# KiCad board Duet3_MB.kicad_pcb (continued)
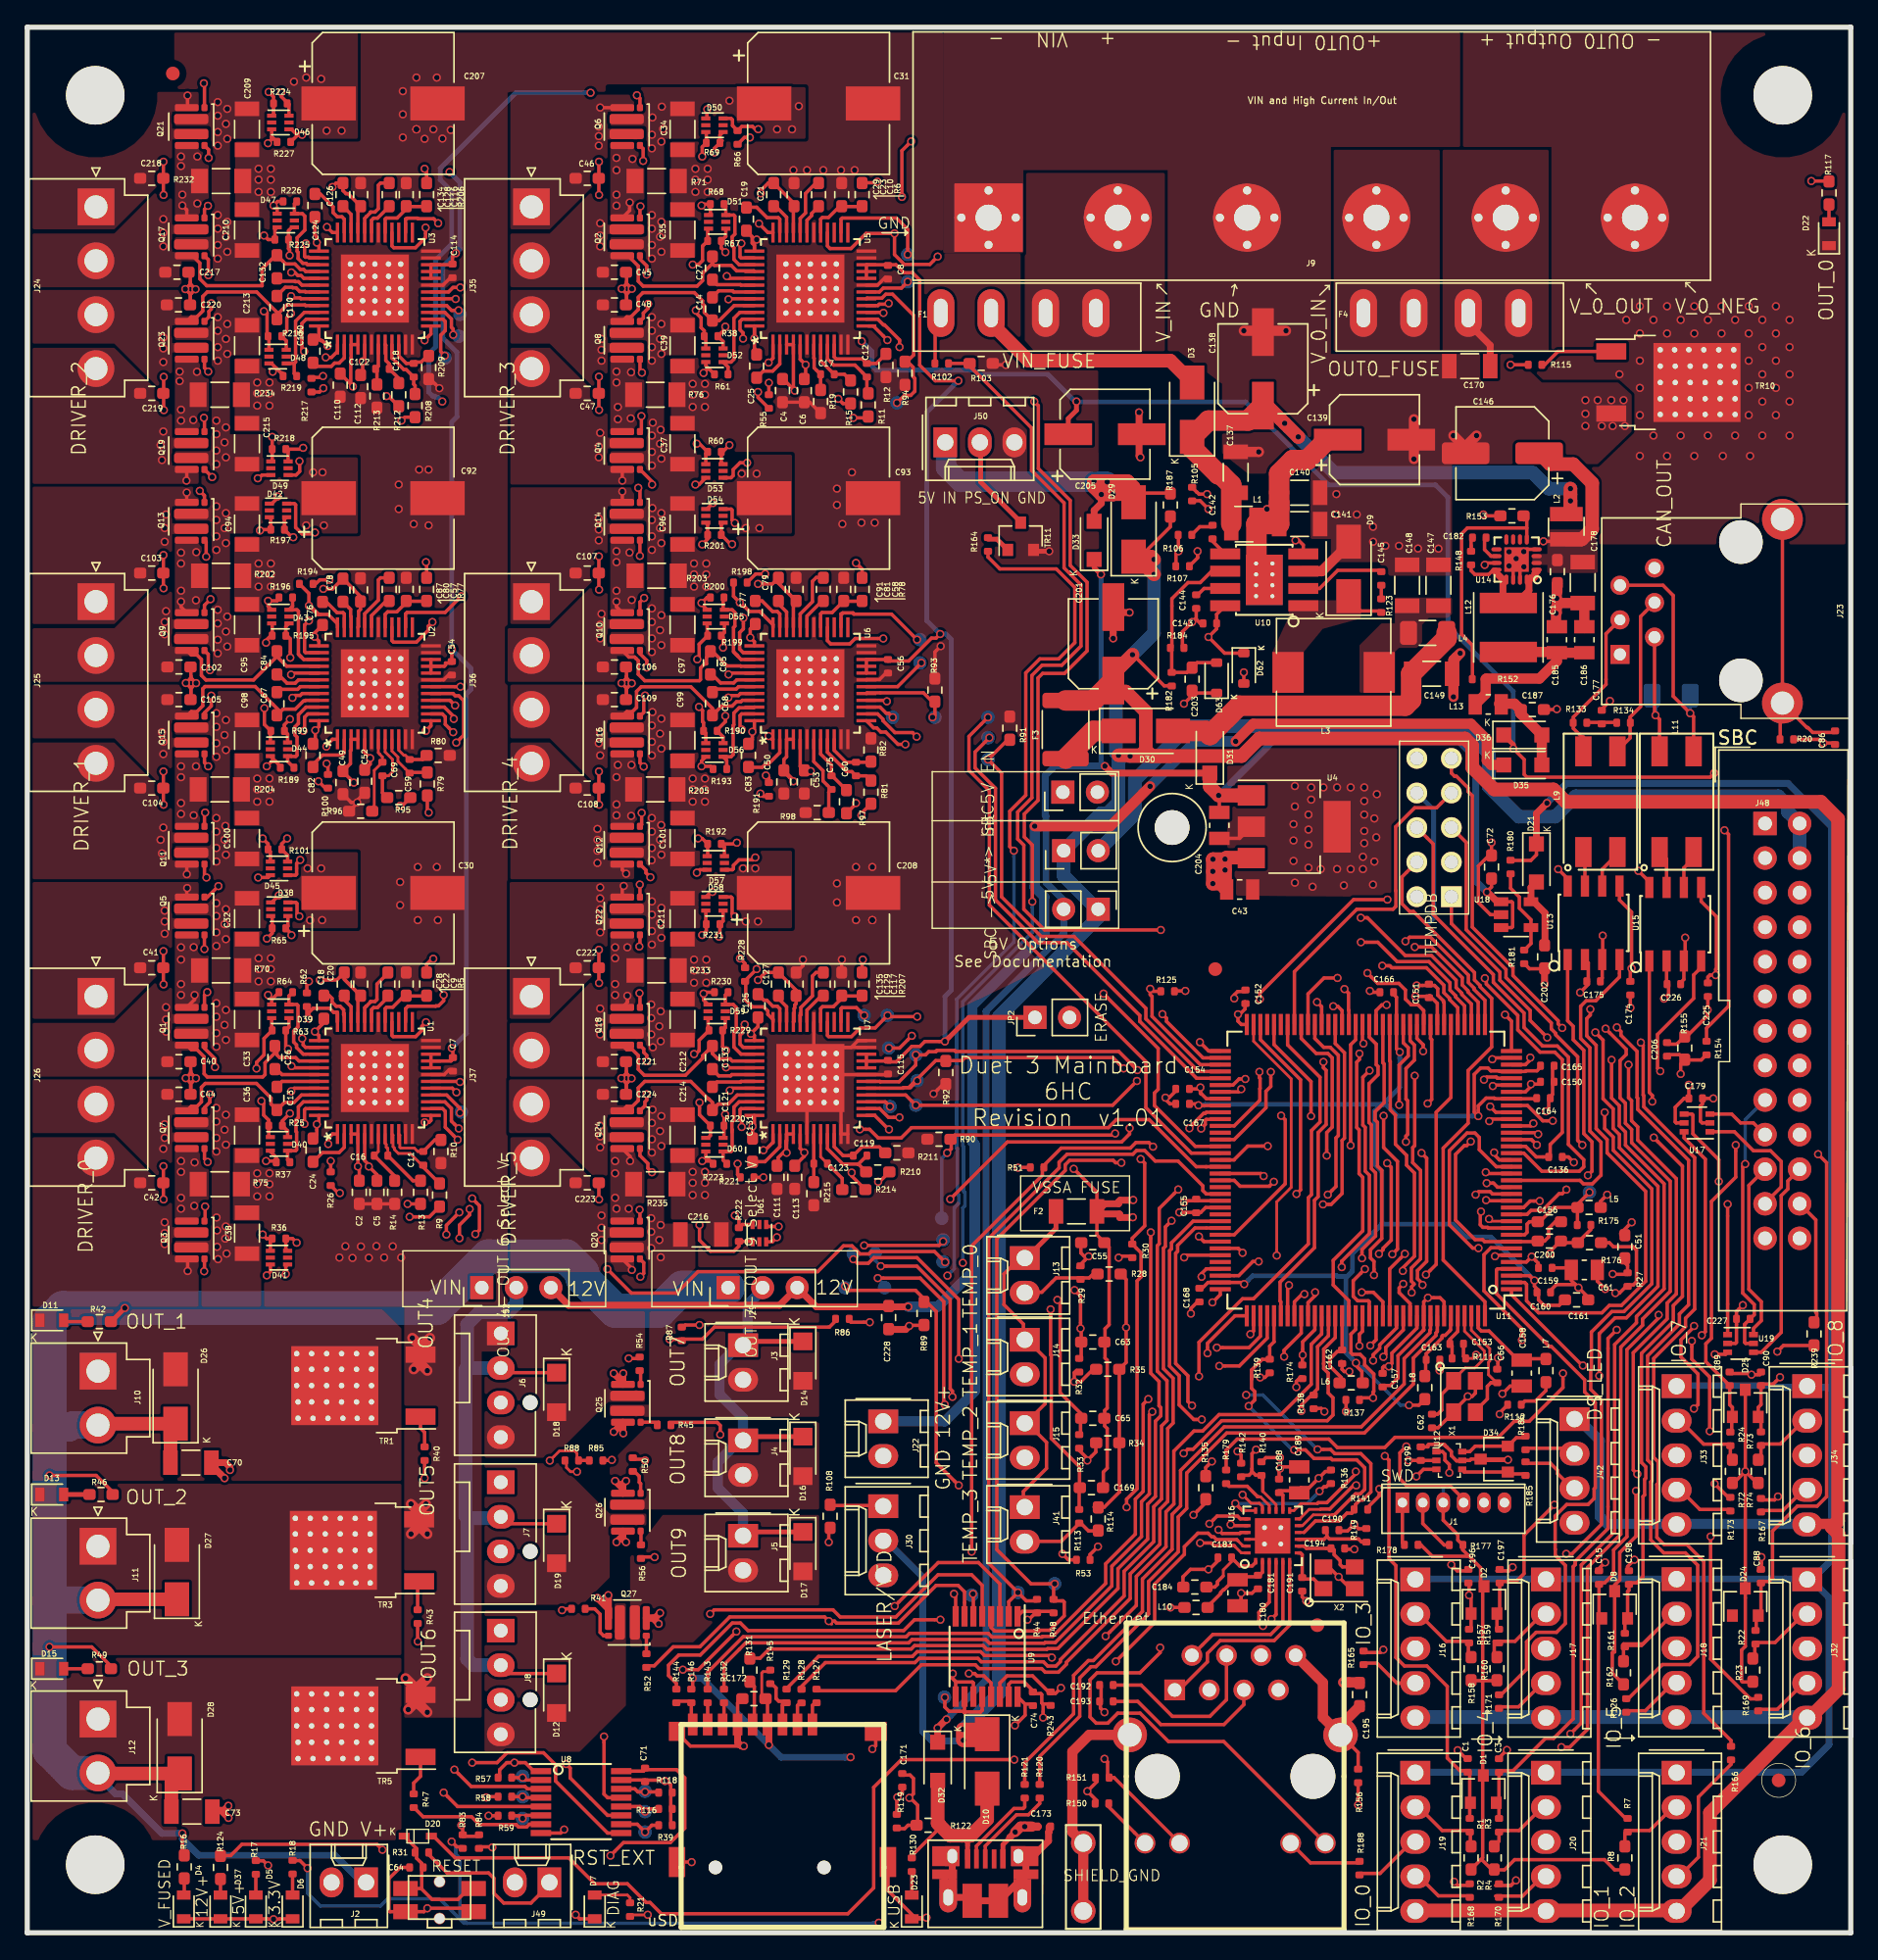
[diagram p0: board, top side]
## Routing (per net, layer and track width the routed paths; a pad name or vN(x,y) marks a point on that pad's centre or on a via; arc(x,y) is an arc through that point) (continued)
VBUS: length 15
  Top w0.25: 65,5.49 65,5.66 67.08,7.74 67.08,7.9
  Top w0.35: J43.1 69.1,6.65 68.68,7.07
  Top w0.5: 68.68,7.07 68.68,7.13
  Top w1: D10.2 70.54,8.34 69.33,7.13 67.82,7.13 66.9,8.05 66.9,11.1
VBUS_DETECT: length 64.5
  Top w0.25: 64.3,11.59 64.88,11.59 65.12,11.34 65.12,10.21 v1(64.82,9.91) 64.89,9.91 65.43,9.37 65.43,7.98 R122.2 64.72,7.9 64.47,7.65 63.97,7.65 63.9,7.72 ; 95.27,41.83 95.27,41.78 ; 95.27,41.83 95.27,41.45 95.6,41.12 95.6,39.66 95.95,39.31 95.95,38.04 95.53,37.62 87.77,37.62 85.67,35.52 85.28,35.52 v1(84.98,35.22) ; 95.27,41.83 95.27,42.88 96.12,43.73 U11.122
  In1.Cu w0.25: v1(64.82,9.91) 67.96,13.05 71.94,13.05 73.42,14.53 75.33,14.53 78.18,17.39 78.18,20.74 78.17,20.75 78.17,22.38 80.21,24.42 80.21,30.92 80.16,30.96 80.16,31.85 83.53,35.22 v1(84.98,35.22)
VIN_POWER_MON: length 103.8
  Top w0.25: 67.69,115.3 69.22,115.3 69.22,115.13 73.8,110.56 73.8,107.44 76.19,105.05 76.19,100.28 77.43,99.04 77.43,94.53 76.02,93.12 74.58,93.12 73.82,92.37 73.82,83.39 72.78,82.35 72.78,80.36 73.23,79.91 73.23,75.2 74.75,73.67 v1(83.3,73.67) ; v1(107.11,70.13) 107.22,70.02 107.22,69.71 109.53,67.4 109.53,66.34 111.17,64.7 112.25,64.7 112.8,64.15 112.8,58.8 111.91,57.91 111.91,57 110.89,57 110.11,57.78 U11.22
  In1.Cu w0.25: v1(83.3,73.67) 83.72,73.67 83.9,73.85 103.39,73.85 v1(107.11,70.13)
VSSA: length 84.6
  Top w0.25: 73.43,37.5 74.9,36.03 74.9,34.12 73.2,32.42 73.2,31.3 ; 73.43,37.5 74.8,38.87 74.8,42.23 73.43,43.6 73.2,43.6 73.2,44.72 71.77,46.15 71.77,48.4 72.97,49.6 73.2,49.6 ; 73.43,37.5 73.2,37.5 ; v1(116.7,47) 117,47 117.6,47.6 118.02,47.6 118.25,47.83 118.25,50.15 118,50.4 116.56,50.4 116.26,50.7 115.68,50.7
  Top w0.35: 73.2,49.6 73.44,49.6 75.59,51.75 F2.1 ; 73.2,31.3 73.43,31.3
  In1.Cu w0.25: v1(116.7,47) 116.37,46.67 111.45,46.67 111.25,46.87 110.91,46.87 110.22,47.57 108.47,47.57 106.88,49.16 106.88,49.18 103.5,52.56 97.26,52.56 96.13,51.42 94.74,51.42 94.21,50.89 89.19,50.89 87.14,48.84 86.04,48.84 81.05,43.84 80.81,43.84 80.57,43.6 73.2,43.6
  In1.Cu w0.5: 73.63,49.8 73.43,49.6 73.2,49.6
VSSA_MON: length 28.3
  Top w0.25: 109.09,56.3 U11.19 107.96,56.28 106.7,57.53 106.7,58.43 106.38,58.76 105.8,58.76 104.5,57.46 104.5,52.02 106.22,50.3 v1(106.64,50.3) ; v1(116.5,48.4) 116.53,48.38 117.6,48.38 117.6,49.03 117.1,49.53
  In1.Cu w0.25: v1(106.64,50.3) 106.94,50 106.94,49.75 107.33,49.37 107.33,49.35 108.08,48.6 115.88,48.6 116.08,48.4 v1(116.5,48.4)
/Headers/CAN_SHD_GND: length 21
  Top w0.25: 132.84,88.19 131.2,88.19 130.85,88.54 130.78,88.54 J23.7 ; J23.7 J23.8 ; J23.7 128.81,90.18 128.81,87.68
/MOSFET outputs/out4_g: length 1.2
  Top w0.25: 45,41.41 45.08,41.34 45.08,40.29
/MOSFET outputs/out5_g: length 1.1
  Top w0.25: 45.1,28.39 45.1,29.49 45.08,29.51
/MOSFET outputs/out6_g: length 3.4
  Top w0.25: 40.89,23.8 41.7,23.8 42.1,23.4 42.1,22.07 42.35,21.82 42.71,21.82
/MOSFET outputs/out7_g: length 1.4
  Top w0.25: 46.41,37.5 46.4,37.51 45.08,37.51 45.1,37.49
/MOSFET outputs/out8_g: length 2
  Top w0.25: 44.5,34.01 44.97,33.54 44.97,33.1 45.08,33 45.08,32.29
/MOSFET outputs/out9_g: length 1.5
  Top w0.25: 45.5,20.39 45.5,21.81 45.49,21.82 45.52,21.8
/MOSFET outputs/TR1_G: length 2.4
  Top w0.25: TR1.1 28.9,37.07 29.2,36.77 29.2,35.69
/MOSFET outputs/TR3_G: length 2.3
  Top w0.25: 28.71,25.73 TR3.1 28.69,25.71 28.69,23.72
/MOSFET outputs/TR5_G: length 2.9
  Top w0.25: TR5.1 28.9,11.5 28.4,11 28.4,10.19
/MOSFET outputs/TR10_G: length 5.5
  Top w0.25: 111.28,115.2 111.51,115.2 112.49,116.18 TR10.1
/MOSFET outputs/U12_OUTA: length 5.1
  Top w0.25: 110.1,36.38 109.43,36.38 D34.2 106.4,35.75 106,35.35 U12.6
/MOSFET outputs/U12_OUTB: length 4.8
  Top w0.25: 105.45,33.99 105.59,33.85 D34.1 108.94,33.71 110.1,33.71
/Power/12_VOUT: length 14.4
  Top w0.75: C185.1 112.4,93.42 111.12,92.15 107.22,92.15 107.17,92.1 107.17,91.01 L13.2 106.41,90.53 ; C185.1 C186.1 ; C185.1 112.34,94.1 L12.1
/Power/COMP_CAP_R: length 1.8
  Top w0.25: 85.56,102.7 86.16,103.3 87.1,103.3
/Power/EN_JP_1: length 28.2
  Top w0.25: v1(86.7,105.7) 86.1,105.7 85.97,105.84 85.95,105.84 85.6,106.19
  In1.Cu w0.25: v1(86.7,105.7) 80.53,99.52 80.53,99.3 76.1,94.87 76.1,83.2
/Power/L9_OUT: length 6.8
  Top w0.75: 109.5,90.1 109.72,89.87 ; 109.72,89.87 109.29,90.3 108.16,90.3 ; 109.72,89.87 109.72,89.57 D36.2 D35.2
/Power/LX: length 4.1
  Top w0.25: 97.69,97.41 97.1,98 ; 97.1,98 97.49,97.61 ; 97.1,98 97.99,97.11 99.5,97.11
/Power/TR11_G: length 1.8
  Top w0.35: TR11.1 71.26,102.39 70.6,102.39
/Processor/io0_out: length 93.4
  Top w0.25: v1(99.89,68.17) 99.53,68.17 99.12,67.76 U11.53 ; v1(115.98,66.42) 117.49,64.91 117.49,64.53 117.04,64.08 117.04,61.34 117.44,60.95 117.44,59.47 117.9,59.02 117.9,58.05 120.73,55.22 120.73,47.13 118.7,45.1 118.7,44.63 117.1,43.03 117.1,29.29 114.65,26.84 114.65,14.94 113.35,13.64 v1(112.73,13.64) ; v1(104.85,3.75) 105.11,3.49 106,3.49
  In1.Cu w0.25: v1(99.89,68.17) 100.35,67.71 104.84,67.71 105.25,68.12 110.58,68.12 111.15,67.55 113.28,67.55 114.06,66.78 115.63,66.78 v1(115.98,66.42) ; v1(112.73,13.64) 110.88,13.64 109.94,12.7 109.94,8.84 v1(104.85,3.75)
/Processor/io1_out: length 99.2
  Top w0.25: v1(113.4,14.61) 114.2,15.42 114.2,27.02 116.65,29.47 116.65,43.22 118.25,44.82 118.25,45.28 120.28,47.31 120.28,55.03 117.45,57.86 117.45,58.83 116.99,59.29 116.99,60.76 116.42,61.33 v1(116.42,64.13) ; U11.78 88.6,62.28 89.05,62.73 v1(89.51,62.73) ; 107.9,3.47 109.03,3.47 v1(109.4,3.85)
  In1.Cu w0.25: v1(109.4,3.85) 109.4,6.44 110.92,7.96 112.5,7.96 113.4,8.86 v1(113.4,14.61) ; v1(116.42,64.13) 116.08,63.79 111.18,63.79 110.99,63.59 107.95,63.59 107.66,63.3 102.85,63.3 102.52,63.63 100,63.63 98.98,62.61 96.2,62.61 95.81,63 92.83,63 92.44,62.61 90.05,62.61 89.93,62.73 v1(89.51,62.73)
/Processor/io2_out: length 76.5
  Top w0.25: U11.47 102.12,65.71 102.58,65.25 v1(102.58,64.77) ; v1(118.57,65.41) 118.74,65.23 118.74,61.55 118.79,61.51 118.79,60.68 122.53,56.95 122.53,45.82 121.86,45.15 121.86,44.53 119.52,42.2 119.52,34.92 119.84,34.6 119.84,33.03 119.75,32.94 119.75,29.05 120.28,28.52 121.96,28.52 123.2,27.28 123.2,16.12 125.2,14.12 125.2,13.59
  In1.Cu w0.25: v1(102.58,64.77) 103,64.77 103.22,64.99 112.34,64.99 112.76,65.41 v1(118.57,65.41)
/Processor/io3_out: length 52.7
  Top w0.25: v1(99.65,20.8) 99.44,20.59 98.2,20.59 ; U11.91 90.67,55.78 v1(90.85,55.59) ; v1(99.93,56.54) 100.23,56.24 100.23,50.89 99.63,50.29 99.63,50.18 v1(99.33,49.88)
  In1.Cu w0.25: v1(90.85,55.59) 91.06,55.8 91.95,55.8 92.41,56.26 99.22,56.26 99.51,56.54 v1(99.93,56.54) ; v1(99.33,49.88) 99.33,49.46 99.59,49.2 99.59,45.24 101.65,43.19 101.65,39.54 102.17,39.02 102.17,38.46 100.52,36.82 100.52,32.85 99.65,31.97 v1(99.65,20.8)
/Processor/io4_out: length 40.9
  Top w0.25: U11.4 108.04,48.78 107.97,48.7 107.97,46.95 111.85,43.07 112,43.07 114.44,40.63 114.44,39.73 115.23,38.95 115.23,32.7 115.14,32.61 115.14,31.91 114.69,31.46 113.12,31.46 112.27,30.61 112.27,28.17 112.28,28.16 112.28,27.73 113.03,26.99 113.03,22.73 112.38,22.08 110.88,22.08 110.17,21.37 110.17,19.36 108.19,17.38 108.15,17.38
/Processor/io5_out: length 86
  Top w0.25: v1(96.28,70.15) 95.29,70.15 94.12,68.98 U11.63 ; 117.5,17.09 117.54,17.09 120.15,19.7 122.15,19.7 122.75,20.3 122.75,27.01 121.85,27.91 120.25,27.91 119.3,28.86 119.3,33.12 119.39,33.21 119.39,34.42 119.07,34.74 119.07,42.38 121.41,44.72 121.41,45.46 122.08,46.13 122.08,56.76 118.34,60.5 118.34,61.32 118.29,61.36 118.29,64.76 117.11,65.94 117.11,66.22 v1(116.81,66.52)
  In1.Cu w0.25: v1(96.28,70.15) 97.17,70.15 97.43,69.89 99.99,69.89 101.7,68.17 104.67,68.17 105.09,68.6 110.74,68.6 110.91,68.42 113.2,68.42 114.4,67.23 116.1,67.23 v1(116.81,66.52)
/Processor/io6_out: length 69.7
  Top w0.25: U11.102 88.98,50.28 v1(89.31,49.96) ; v1(122.48,44.58) 122.48,44.52 121.52,43.56 121.52,42.31 122.77,41.05 122.77,38.81 v1(122.47,38.51) ; 127.2,17.19 126.62,17.19 123.7,20.11 v1(123.7,29.11)
  In1.Cu w0.25: v1(89.31,49.96) 89.79,50.44 94.39,50.44 94.92,50.97 96.31,50.97 97.45,52.11 103.32,52.11 106.43,48.99 106.43,48.97 108.28,47.12 110.03,47.12 110.73,46.42 111.07,46.42 111.26,46.22 120.84,46.22 v1(122.48,44.58) ; v1(123.7,29.11) 122.88,29.93 122.88,38.1 v1(122.47,38.51)
/Processor/io7_out: length 46
  Top w0.25: v1(123.63,36.85) 123.63,40.83 122.32,42.14 v1(122.32,43.48) ; v1(123.99,32.99) 125.11,31.88 125.15,31.88 ; v1(98.29,48.76) 97.44,47.91 97.44,46.76 97.76,46.43 98.54,46.43 98.62,46.36 U11.127
  In1.Cu w0.25: v1(98.29,48.76) 98.75,49.22 98.75,49.53 98.7,49.58 98.7,50.18 99.27,50.75 102.57,50.75 107.66,45.66 109.58,45.66 110.17,45.07 110.51,45.07 111.92,43.66 122.13,43.66 v1(122.32,43.48) ; v1(123.63,36.85) 123.99,36.49 v1(123.99,32.99)
/Processor/io8_out: length 39.9
  Top w0.25: U11.6 107.93,49.78 v1(107.86,49.7) ; 127.4,31.8 128.4,31.8 v1(128.65,32.05)
  In1.Cu w0.25: v1(107.86,49.7) 108.51,49.05 117.31,49.05 117.53,49.27 125.33,49.27 129.23,45.37 129.23,42.4 128.17,41.35 128.17,32.53 v1(128.65,32.05)
/Processor/rst: length 10.1
  Top w0.25: 28.95,3.25 28.99,3.29 28.99,5.1 28.61,5.48 28.61,6.19 D20.1 ; 28.95,3.25 29.75,2.45 31.65,2.45 32.45,3.25 S1.3 ; 28.95,3.25 S1.4
/Processor/VBG: length 3.5
  Top w0.25: R111.2 104.7,43.11 C153.1 ; U11.140 105.12,44.18 104.54,43.6 104.54,43.38 104.65,43.27
/Processor/XIN: length 9.5
  Top w0.2: U11.142 106.12,44.27 107.47,42.91 107.47,42.01 107.38,41.92 107.38,41 107.97,40.41 C66.1
  Top w0.25: 108.16,40.41 107.56,40.41 ; 107.56,40.41 107.29,40.15 107.29,39.23 106.42,38.35 X1.3 ; 107.56,40.41 C66.1
/Processor/XOUT: length 10.1
  Top w0.2: U11.141 105.62,44.2 107.07,42.75 107.07,42.19 106.38,41.5 105.67,41.5 104.82,40.65 X1.1
  Top w0.25: X1.1 104.82,40.45 103.94,39.57 103.94,38.41 103.64,38.1 C62.1
/sheet5B64A4E5/CAN1H_C: length 2.6
  Top w0.25: U13.7 114.47,79.34 114.35,79.45
/sheet5B64A4E5/CAN1L_C: length 3
  Top w0.25: 115.74,76.9 115.74,78.13 116.85,79.25 116.85,79.45
/sheet5B64A4E5/CLK: length 3.3
  Top w0.25: 53.1,18.43 53.43,18.09 53.43,15.43 J27.5
/sheet5B64A4E5/CMD: length 5.8
  Top w0.25: 55.6,17.01 55.5,16.91 J27.3 55.5,16.71 55.8,17.01 55.22,17.01 55.03,17.21 55.03,17.99 54.6,18.41
/sheet5B64A4E5/DAT0: length 1.8
  Top w0.25: J27.7 51.2,15.4 51.2,17.01
/sheet5B64A4E5/DAT1: length 1.7
  Top w0.25: J27.8 50,15.3 50,17.01
/sheet5B64A4E5/DAT2: length 1.8
  Top w0.25: 58,17.01 57.7,16.71 J27.1
/sheet5B64A4E5/DAT3: length 1.8
  Top w0.25: J27.2 56.6,16.7 56.9,17
/sheet5B64A4E5/LED0: length 32.2
  Top w0.2: 88.96,28.8 89.32,28.45 89.32,28.41 U16.23
  Top w0.25: J46.10 79.87,11.4 79.39,11.4 79.39,12.55 v1(79.16,12.78) ; v1(79.99,19.94) 82.85,22.8 82.85,25.62 85.03,27.8 85.03,28.37 86.02,29.36 86.77,29.36 87.05,29.09 87.2,29.09 87.39,28.89 88.88,28.89 88.96,28.8
  In1.Cu w0.25: v1(79.99,19.94) 79.99,16.13 79.16,15.3 v1(79.16,12.78)
/sheet5B64A4E5/RD+: length 12.4
  Top w0.25: U16.4 91.77,23.38 v1(91.43,23.04)
  In1.Cu w0.25: v1(91.43,23.04) 91.25,23.22 90.56,23.22 89.4,22.06 89.4,20.05 87.96,18.6 87.62,18.6 J46.3
/sheet5B64A4E5/RD-: length 7.4
  Top w0.25: v1(90.81,22.54) 90.51,22.84 90.51,23.54 91.27,24.3 U16.3
  In1.Cu w0.25: J46.6 90.67,22.4 v1(90.81,22.54)
/sheet5B64A4E5/REF_CLK: length 4.3
  Top w0.2: U16.16 91.27,31.39 90.64,32.02 90.39,32.02
  Top w0.25: 90.5,32.04 90.41,32.04 89.65,32.81 88.31,32.81 88.1,33.01
/sheet5B64A4E5/REXT: length 5.7
  Top w0.25: U16.9 95.29,28.91 95.5,29.12 ; 95.5,29.12 95.5,29.52 ; 95.5,29.12 95.69,28.93 97.83,28.93 98.05,28.72 98.4,28.72
/sheet5B64A4E5/SD_cd: length 2.9
  Top w0.25: J27.9 48.8,15.4 48.8,17.01 47.7,17.01
/sheet5B64A4E5/SHIELD_GND: length 45.2
  Top w0.25: J46.14 97.8,13.25 97.8,12.01
  Top w0.75: 97.9,16.62 96.51,15.23 J46.14 95.21,15.84 95.21,18.38 93.2,20.38 ; J46.13 78.04,14.54 76.8,13.3 76.8,7.4 J45.1 J45.1
  In1.Cu w0.75: J46.13 81.02,14.54 J46.14
/sheet5B64A4E5/TD+: length 15.5
  Top w0.25: J46.1 84.65,17.84 86.72,19.91 86.72,20.53 87.66,21.47 91.63,21.47 92.77,22.61 U16.6
/sheet5B64A4E5/TD-: length 12.2
  Top w0.25: U16.5 92.27,22.81 91.37,21.92 87.12,21.92 85.58,20.38
/sheet5B64A4E5/XI: length 5.2
  Top w0.25: U16.8 93.83,28.41 ; 93.83,28.41 94,28.24 95.92,28.24 96.04,28.12 96.04,27.77 96.48,27.33 96.48,27.05 96.65,26.88 X2.3 ; 93.83,28.41 93.82,28.41
/sheet5B64A4E5/XO: length 4
  Top w0.25: X2.1 94.54,25.99 93.69,25.99 93.69,27.78 93.56,27.91 U16.7
/Stepper Driver & Endstops/D0_5VOUT: length 22.6
  Top w0.25: 29.35,70.57 29.35,71.16 29.75,71.56 v1(29.84,71.56) ; C5.2 25.7,55.7 v1(25.1,56.3) 25.1,56.43 24.8,56.73 U1.5
  In1.Cu w0.25: v1(29.84,71.56) 27.77,69.5 27.77,66.23 28.14,65.86 28.14,60.37 25.1,57.32 v1(25.1,56.3)
/Stepper Driver & Endstops/D0_CA1: length 3.2
  Top w0.25: U1.42 18.73,63.05 18.35,63.43
/Stepper Driver & Endstops/D0_CA2: length 3
  Top w0.25: U1.35 23.3,67.4 23.25,67.45 23.25,67.81 22.99,68.07 22.7,68.07 22.4,68.38 22.4,68.38 22.4,68.65 21.9,69.15
/Stepper Driver & Endstops/D0_CB1: length 3.7
  Top w0.25: U1.2 23.3,57.7 22.92,57.33 21.7,57.33 21,56.62
/Stepper Driver & Endstops/D0_CB2: length 3.2
  Top w0.25: 18.35,62.18 18.73,62.55 U1.43
/Stepper Driver & Endstops/D0_CPI: length 2.6
  Top w0.25: C22.2 26.5,68.73 25.74,67.97 25.45,67.97 25.3,67.82 U1.31
/Stepper Driver & Endstops/D0_CPO: length 4.5
  Top w0.25: U1.32 24.8,67.97 24.91,68.07 24.91,68.07 24.92,68.07 25.23,68.38 25.23,68.41 25.23,68.42 25.55,68.42 25.7,68.57 25.7,69.7 26.5,70.5 C22.1
/Stepper Driver & Endstops/D0_HA1: length 5.9
  Top w0.25: v1(19.42,63.68) 19.55,63.55 U1.41 ; D39.4 19.23,66.53 R63.1 19,65.1 v1(19.17,64.93)
  In1.Cu w0.25: v1(19.42,63.68) 19.42,64.68 v1(19.17,64.93)
/Stepper Driver & Endstops/D0_HA2: length 15.4
  Top w0.25: 22.7,67.62 22.8,67.52 U1.36 22.8,67.62 22.7,67.62 ; 22.7,67.62 22.52,67.62 22.22,67.93 21.01,67.93 20.68,67.6 v1(20.68,67.17) 20.55,67.3 R62.1 ; v1(20,74.67) 19.82,74.84 19.82,75.62 19.74,75.7 D38.6
  In1.Cu w0.25: v1(20,74.67) 20,74.26 20.49,73.76 20.49,71.32 19.59,70.41 19.59,68.27 v1(20.68,67.17)
/Stepper Driver & Endstops/D0_HAG1: length 9.2
  Top w0.25: v1(13.8,63.6) 13.8,64.21 13.02,64.99 Q1.4 ; v1(16.85,63.5) 16.85,63.95 17.4,64.5 17.4,65.7 R63.2 17.97,66.34 D39.3
  In1.Cu w0.25: v1(13.8,63.6) 16.75,63.6 v1(16.85,63.5)
/Stepper Driver & Endstops/D0_HAG2: length 17.7
  Top w0.25: Q5.1 13.24,76.09 v1(14.05,76.9) ; v1(20.7,69.9) 20.55,69.75 R62.2 ; v1(18.48,76.22) 17.97,75.7 D38.1
  In1.Cu w0.25: v1(20.7,69.9) 20.7,70.87 22.3,72.47 22.3,74.7 20.78,76.22 v1(18.48,76.22) 17.85,76.22 17.16,76.9 v1(14.05,76.9)
/Stepper Driver & Endstops/D0_HB1: length 15.7
  Top w0.25: v1(22.12,57.95) 22.12,58.37 22.43,58.69 U1.1 ; v1(19,48.4) 19,48.97 D41.4 ; v1(22.3,56.7) R26.1
  In1.Cu w0.25: v1(19,48.4) 20.37,48.4 23.6,51.63 23.6,54.6 R26.1 v1(22.3,56.7) 22.12,56.88 v1(22.12,57.95)
/Stepper Driver & Endstops/D0_HB2: length 5.9
  Top w0.25: v1(19.4,61.82) 19.63,62.05 U1.44 ; v1(19.3,60.2) 18.75,59.65 R25.1 19.13,58.91 D40.6
  In1.Cu w0.25: v1(19.3,60.2) 19.4,60.3 v1(19.4,61.82)
/Stepper Driver & Endstops/D0_HBG1: length 17.1
  Top w0.25: Q3.4 13.02,48.63 v1(13,48.6) ; R26.2 22.85,54.35 v1(22.97,54.35) ; D41.3 17.87,48.56 v1(17.6,48.3)
  In1.Cu w0.25: v1(13,48.6) 13.5,48.1 17.4,48.1 v1(17.6,48.3) 18.5,49.2 20.54,49.2 22.97,51.63 v1(22.97,54.35)
/Stepper Driver & Endstops/D0_HBG2: length 8.4
  Top w0.25: R25.2 17.75,58.57 D40.1 ; R25.2 17.75,59.7 17.38,60.07 17.38,60.95 v1(17.21,61.12) ; R25.2 17.87,59.19 ; v1(13.43,61.59) 13.43,61.03 13.02,60.63 Q7.1
  In1.Cu w0.25: v1(13.43,61.59) 16.73,61.59 v1(17.21,61.12)
/Stepper Driver & Endstops/D0_LA1: length 6.9
  Top w0.25: R64.1 19.23,68.84 D39.6 19.82,68.2 19.9,68.12 19.9,66.56 19.58,66.24 19.58,65.44 19.79,65.23 19.79,65.04 20.28,64.55 U1.39
/Stepper Driver & Endstops/D0_LA2: length 12.3
  Top w0.25: v1(20.21,65.7) 20.28,65.63 20.28,65.23 20.45,65.05 U1.38 ; D38.4 19.16,73.96 R65.1 19.41,73.39 v1(19.41,73.29)
  In1.Cu w0.25: v1(19.41,73.29) 18.53,72.4 18.53,66.96 19.78,65.7 v1(20.21,65.7)
/Stepper Driver & Endstops/D0_LAG1: length 7.6
  Top w0.25: Q1.1 13.02,68.91 v1(13.23,69.11) ; 17.97,68.63 18.03,68.63 R64.2 ; 17.97,68.63 v1(17.7,68.9) ; 17.97,68.63 D39.1 18,68.2
  In1.Cu w0.25: v1(13.23,69.11) 13.53,69.41 16.56,69.41 17.07,68.9 v1(17.7,68.9)
/Stepper Driver & Endstops/D0_LAG2: length 8.1
  Top w0.25: v1(13.02,72.27) 13.02,73.31 Q5.4 ; v1(17.61,73.04) 18,73.43 R65.2 18,74.59 D38.3
  In1.Cu w0.25: v1(13.02,72.27) 13.42,71.87 16.34,71.87 17.51,73.04 v1(17.61,73.04)
/Stepper Driver & Endstops/D0_LB1: length 13.7
  Top w0.25: D41.6 19,50.24 R36.1 19.5,51 v1(19.8,50.7) ; v1(20.38,59.42) 20.38,60.47 20.45,60.55 U1.47
  In1.Cu w0.25: v1(20.38,59.42) 20.8,59 20.8,51.1 20.4,50.7 v1(19.8,50.7)
/Stepper Driver & Endstops/D0_LB2: length 6.5
  Top w0.25: R37.1 19.13,56.78 D40.4 19.72,57.46 19.8,57.54 19.8,58.83 19.75,58.88 19.75,59.72 19.93,59.9 19.93,60.69 20.29,61.05 U1.46
/Stepper Driver & Endstops/D0_LBG1: length 8.2
  Top w0.25: Q3.1 13.07,52.34 v1(13.07,53.36) ; D41.1 17.87,50.87 R36.2 17.6,51 v1(17.3,51.3)
  In1.Cu w0.25: v1(17.3,51.3) 17.3,51.72 16.61,52.41 15.14,52.41 14.19,53.36 v1(13.07,53.36)
/Stepper Driver & Endstops/D0_LBG2: length 7.3
  Top w0.25: Q7.4 13.02,56.87 v1(13.26,56.63) ; 17.87,57.4 18.3,56.97 R37.2 ; 18.19,56.5 R37.2 ; R37.2 18.21,56.7 v1(17.55,56.7)
  In1.Cu w0.25: v1(17.55,56.7) 13.33,56.7 v1(13.26,56.63)
/Stepper Driver & Endstops/D0_SRAH: length 4.9
  Top w0.2: C16.2 26.5,57.57 26.48,57.59 26.48,57.65 26.44,57.65 26.38,57.71 26.38,57.92 26.3,58 U1.8
  Top w0.25: C16.2 28.35,55.25 R13.1
/Stepper Driver & Endstops/D0_SRAL: length 4.2
  Top w0.2: C16.1 25.8,57.4 U1.7
  Top w0.25: R14.1 27,55.6 C16.1
/Stepper Driver & Endstops/D0_SRAT: length 28.6
  Top w0.25: Q1.2 12.3,68.56 v1(12.3,68.9) ; R13.2 v1(27.95,53.55)
  In1.Cu w0.25: v1(12.3,68.9) 12.3,63.8 13.58,62.52 19.79,62.52 23.65,58.66 23.65,56.02 26.12,53.55 v1(27.95,53.55)
  vias: v1(11.3,72.4) v1(11.3,71.5) v1(11.3,69.7) v1(11.3,68.9) v1(12.23,72.41)
/Stepper Driver & Endstops/D0_SRBH: length 5.7
  Top w0.2: C11.2 29,56.4 28.15,57.25 27.27,57.25 26.98,57.55 26.98,57.65 26.88,57.75 26.88,58.6 U1.9
  Top w0.25: C11.2 29.1,56.25 R9.1
/Stepper Driver & Endstops/D0_SRBL: length 4.5
  Top w0.2: C11.1 28.7,57.4 28.45,57.65 27.44,57.65 27.38,57.71 27.38,58.6 U1.10
  Top w0.25: C11.1 29.95,58.25 R10.1
/Stepper Driver & Endstops/D0_SRBT: length 29.3
  Top w0.25: R9.2 29.55,52.6 v1(28.1,52.6)
  In1.Cu w0.25: v1(12.27,53.41) 12.27,53.83 12.54,54.1 14.09,54.1 ; 14.09,54.1 15.6,54.1 16.23,53.47 17.47,53.47 17.49,53.49 17.5,53.47 18.1,53.47 19.47,54.85 19.47,59.45 20.08,60.05 21.62,60.05 23.2,58.47 23.2,55.84 26.44,52.6 v1(28.1,52.6) ; 14.09,54.1 14.2,54.1
  vias: v1(11.3,56.7) v1(11.3,55.9) v1(11.3,54) v1(11.3,53.2) v1(12.3,56.6)
/Stepper Driver & Endstops/D0_VCC: length 4.4
  Top w0.25: U1.29 26.3,67.9 26.4,68 26.86,68 27.69,68.82 29.35,68.82
/Stepper Driver & Endstops/D0_VCP: length 2.2
  Top w0.25: U1.34 23.8,68.04 23.02,68.82
/Stepper Driver & Endstops/D1_5VOUT: length 19.8
  Top w0.25: 29.35,99.57 29.35,100.65 v1(29.3,100.7) ; U2.5 24.8,86.7 v1(25.2,86.3) 25.2,85.85 C52.2
  In1.Cu w0.25: v1(25.2,86.3) 28.22,89.32 28.22,99.62 v1(29.3,100.7)
/Stepper Driver & Endstops/D1_CA1: length 3.4
  Top w0.25: 18.35,92.43 18.47,92.43 19.09,91.81 19.69,91.81 19.93,92.05 U2.42
/Stepper Driver & Endstops/D1_CA2: length 2.9
  Top w0.25: U2.35 23.3,96.9 23.21,96.99 22.77,96.99 21.78,97.98
/Stepper Driver & Endstops/D1_CB1: length 3.8
  Top w0.25: 21,85.62 21,85.83 21.7,86.53 23.12,86.53 23.3,86.7 U2.2
/Stepper Driver & Endstops/D1_CB2: length 3.2
  Top w0.25: U2.43 20.07,91.55 19.88,91.36 18.53,91.36 18.35,91.18
/Stepper Driver & Endstops/D1_CPI: length 2.6
  Top w0.25: U2.31 25.3,96.77 26.38,97.85 C80.2
/Stepper Driver & Endstops/D1_CPO: length 4.8
  Top w0.25: U2.32 24.8,96.91 25.8,97.91 25.8,99.39 25.96,99.55 C80.1
/Stepper Driver & Endstops/D1_HA1: length 6.2
  Top w0.25: U2.41 19.51,92.55 v1(19.39,92.43) ; v1(19.33,93.68) 19.33,95.07 19,95.4 ; D43.4 19,95.97 R195.1
  In1.Cu w0.25: v1(19.39,92.43) 19.39,93.62 v1(19.33,93.68)
/Stepper Driver & Endstops/D1_HA2: length 17.2
  Top w0.25: D42.6 19.64,105 19.73,104.91 19.73,103.25 20.2,102.77 21.03,102.77 v1(21.14,102.88) ; 20.97,97.32 21.43,96.86 ; 21.43,96.86 21.34,96.86 v1(20.7,97.5) 20.7,98.4 R194.1 ; 21.43,96.86 22.12,96.86 22.8,96.17 U2.36
  In1.Cu w0.25: v1(21.14,102.88) 21.44,102.58 21.69,102.58 23,101.27 23,98.9 21.6,97.5 v1(20.7,97.5)
/Stepper Driver & Endstops/D1_HAG1: length 9
  Top w0.25: v1(13.43,92.76) 13.3,92.88 13.3,93.93 Q9.4 ; R195.2 18,96.16 D43.3 ; 18,95.44 18,95.4 17.55,94.95 v1(17.55,94.78)
  In1.Cu w0.25: v1(13.43,92.76) 16.74,92.76 17.55,93.57 v1(17.55,94.78)
/Stepper Driver & Endstops/D1_HAG2: length 16.8
  Top w0.25: Q13.1 13.02,105.59 v1(12.68,105.93) ; v1(18.4,105.53) 18.4,105.42 17.98,105 D42.1 ; v1(22.2,99.4) 21.5,99.4 21.13,99.03 21.07,99.03 R194.2
  In1.Cu w0.25: v1(22.2,99.4) 22.2,100.77 18.4,104.58 v1(18.4,105.53) 16.48,105.53 16.24,105.76 14.5,105.76 14.39,105.88 12.74,105.88 v1(12.68,105.93)
/Stepper Driver & Endstops/D1_HB1: length 12.9
  Top w0.25: v1(22,85.9) 22.1,85.8 R100.1 ; v1(21.98,87.15) 21.98,87.24 22.43,87.69 U2.1 ; v1(20.06,78.82) 19.8,78.56 19.8,77.78 19.72,77.7 D45.4
  In1.Cu w0.25: v1(21.98,87.15) 21.98,85.92 v1(22,85.9) 22,85.48 22.03,85.45 22.03,80.79 v1(20.06,78.82)
/Stepper Driver & Endstops/D1_HB2: length 5.7
  Top w0.25: U2.44 20.21,91.05 20.06,90.91 19.66,90.91 v1(19.49,90.73) ; v1(19.3,89.16) 18.9,88.76 R99.1 19.13,88.06 D44.6
  In1.Cu w0.25: v1(19.49,90.73) 19.49,89.35 v1(19.3,89.16)
/Stepper Driver & Endstops/D1_HBG1: length 16.2
  Top w0.25: Q11.4 13.02,77.68 v1(13.17,77.53) ; D45.3 17.7,77.53 v1(16.97,77.53) ; R100.2 21.9,84.1 v1(21.4,84.6)
  In1.Cu w0.25: v1(21.4,84.6) 21.4,81.04 19.69,79.32 18.76,79.32 v1(16.97,77.53) v1(13.17,77.53)
/Stepper Driver & Endstops/D1_HBG2: length 8.7
  Top w0.25: v1(17.43,89.97) 17.43,88.77 R99.2 17.87,88.26 D44.1 ; Q15.1 13.02,89.63 13.53,90.13 v1(13.53,90.89)
  In1.Cu w0.25: v1(17.43,89.97) 16.51,90.89 v1(13.53,90.89)
/Stepper Driver & Endstops/D1_LA1: length 7.2
  Top w0.25: R196.1 19.5,97.47 D43.6 19.82,97.2 19.93,97.09 19.93,93.94 20.12,93.75 ; 20.12,93.75 19.98,93.89 20.32,93.55 U2.39 ; 20.12,93.75 20.27,93.6
/Stepper Driver & Endstops/D1_LA2: length 12.1
  Top w0.25: D42.4 18.9,103.84 R197.1 19.46,102.53 v1(19.55,102.53) ; v1(20.7,96.4) 20.38,96.08 20.38,94.13 20.45,94.05 U2.38
  In1.Cu w0.25: v1(20.7,96.4) 20.4,96.7 20.4,96.74 20.07,97.07 20.07,97.8 20.26,97.99 20.26,101.82 v1(19.55,102.53)
/Stepper Driver & Endstops/D1_LAG1: length 7.1
  Top w0.25: v1(13.47,97.98) 13.02,97.53 Q9.1 ; 18.5,98 18.36,97.86 v1(17.7,97.86) 17.7,97.47 D43.1
  In1.Cu w0.25: v1(13.47,97.98) 13.59,97.86 v1(17.7,97.86)
/Stepper Driver & Endstops/D1_LAG2: length 8.8
  Top w0.25: v1(13.15,101.1) 13.15,102.19 Q13.4 ; v1(17.1,103.03) 17.17,103.09 R197.2 17.9,103.9 D42.3
  In1.Cu w0.25: v1(13.15,101.1) 13.45,100.8 16.2,100.8 17.1,101.7 17.1,103.02 v1(17.1,103.03)
/Stepper Driver & Endstops/D1_LB1: length 12.6
  Top w0.25: v1(19.1,80.4) 18.7,80 R101.1 19.13,79.16 D45.6 ; U2.47 20.62,89.55 20.38,89.31 20.38,88.38 v1(20.3,88.3)
  In1.Cu w0.25: v1(19.1,80.4) 20,81.3 20,88 v1(20.3,88.3)
/Stepper Driver & Endstops/D1_LB2: length 6.3
  Top w0.25: U2.46 20.49,90.05 19.93,89.49 19.93,88.85 19.67,88.6 19.67,88 19.82,87.85 19.82,86.52 19.73,86.42 19.45,86.42 ; D44.4 19.13,86.06 R189.1
/Stepper Driver & Endstops/D1_LBG1: length 8.2
  Top w0.25: Q11.1 13.02,82.25 v1(13.07,82.3) ; D45.1 17.87,79.44 R101.2 17.7,80 v1(17.3,80.4)
  In1.Cu w0.25: v1(17.3,80.4) 15.1,82.6 13.37,82.6 v1(13.07,82.3)
/Stepper Driver & Endstops/D1_LBG2: length 7.3
  Top w0.25: 18.26,86.06 17.96,86.06 v1(17.6,85.7) ; 18.26,86.06 18.6,85.72 R189.2 ; 18.26,86.06 D44.3 ; Q15.4 13.02,85.97 v1(13.3,85.7)
  In1.Cu w0.25: v1(13.3,85.7) v1(17.6,85.7)
/Stepper Driver & Endstops/D1_SRAH: length 5.2
  Top w0.2: U2.8 26.3,86.75 26.84,86.21 26.84,85.29 26.55,85 C69.2
  Top w0.25: C69.2 26.1,83.75 R95.1
/Stepper Driver & Endstops/D1_SRAL: length 5.8
  Top w0.2: 25.1,82.4 25.5,82.8 25.5,85.4 C69.1 26.1,86.39 25.9,86.59 25.9,86.6 25.8,86.7 U2.7
/Stepper Driver & Endstops/D1_SRAT: length 30.1
  Top w0.25: R95.2 27.55,82.8 v1(27.4,82.8) ; Q9.2 11.3,97.41 v1(11.3,97.8)
  In1.Cu w0.25: v1(27.4,82.8) 26.97,82.37 23.95,82.37 23.37,82.95 23.37,88.26 19.83,91.8 13.36,91.8 11.3,93.86 v1(11.3,97.8)
  vias: v1(11.3,101.4) v1(11.3,100.6) v1(11.3,98.6) v1(12.42,101.43) v1(12.4,97.9)
/Stepper Driver & Endstops/D1_SRBH: length 4.3
  Top w0.2: C59.2 27.24,86.06 27.24,86.38 26.8,86.82 U2.9
  Top w0.25: C59.2 28.15,85.25 R79.1
/Stepper Driver & Endstops/D1_SRBL: length 3.3
  Top w0.2: C59.1 27.79,86.51 27.68,86.51 27.3,86.89 U2.10
  Top w0.25: C59.1 29.05,86.2 R80.1
/Stepper Driver & Endstops/D1_SRBT: length 31.1
  Top w0.25: R79.2 29.4,82.4 v1(29.5,82.3)
  In1.Cu w0.25: v1(29.5,82.3) 29.12,81.92 23.76,81.92 22.73,82.96 22.73,88.26 21.86,89.13 20.23,89.13 19.35,88.25 19.35,83.75 18.07,82.47 16.03,82.47 15.43,83.07 12.88,83.07 12.23,82.42 12.23,82
  vias: v1(11.3,85.7) v1(11.3,84.9) v1(11.3,83) v1(11.3,82.2) v1(12.23,82.1) v1(12.4,85.7)